# Altium PCB LightLink_V2_NOT_USED.PcbDoc (part 3 of 3)
Units mm, origin at the board's own origin, x right, y up, seen from the top; angles counter-clockwise.
Board outline 100 x 95 mm, 4 copper layers (Top Layer, GND, PWR, Bottom Layer), stack 0.603 mm thick; 319 components, 246 nets, 1057 pads, 165 vias.
Unrouted connection lines stored in the file: 408.
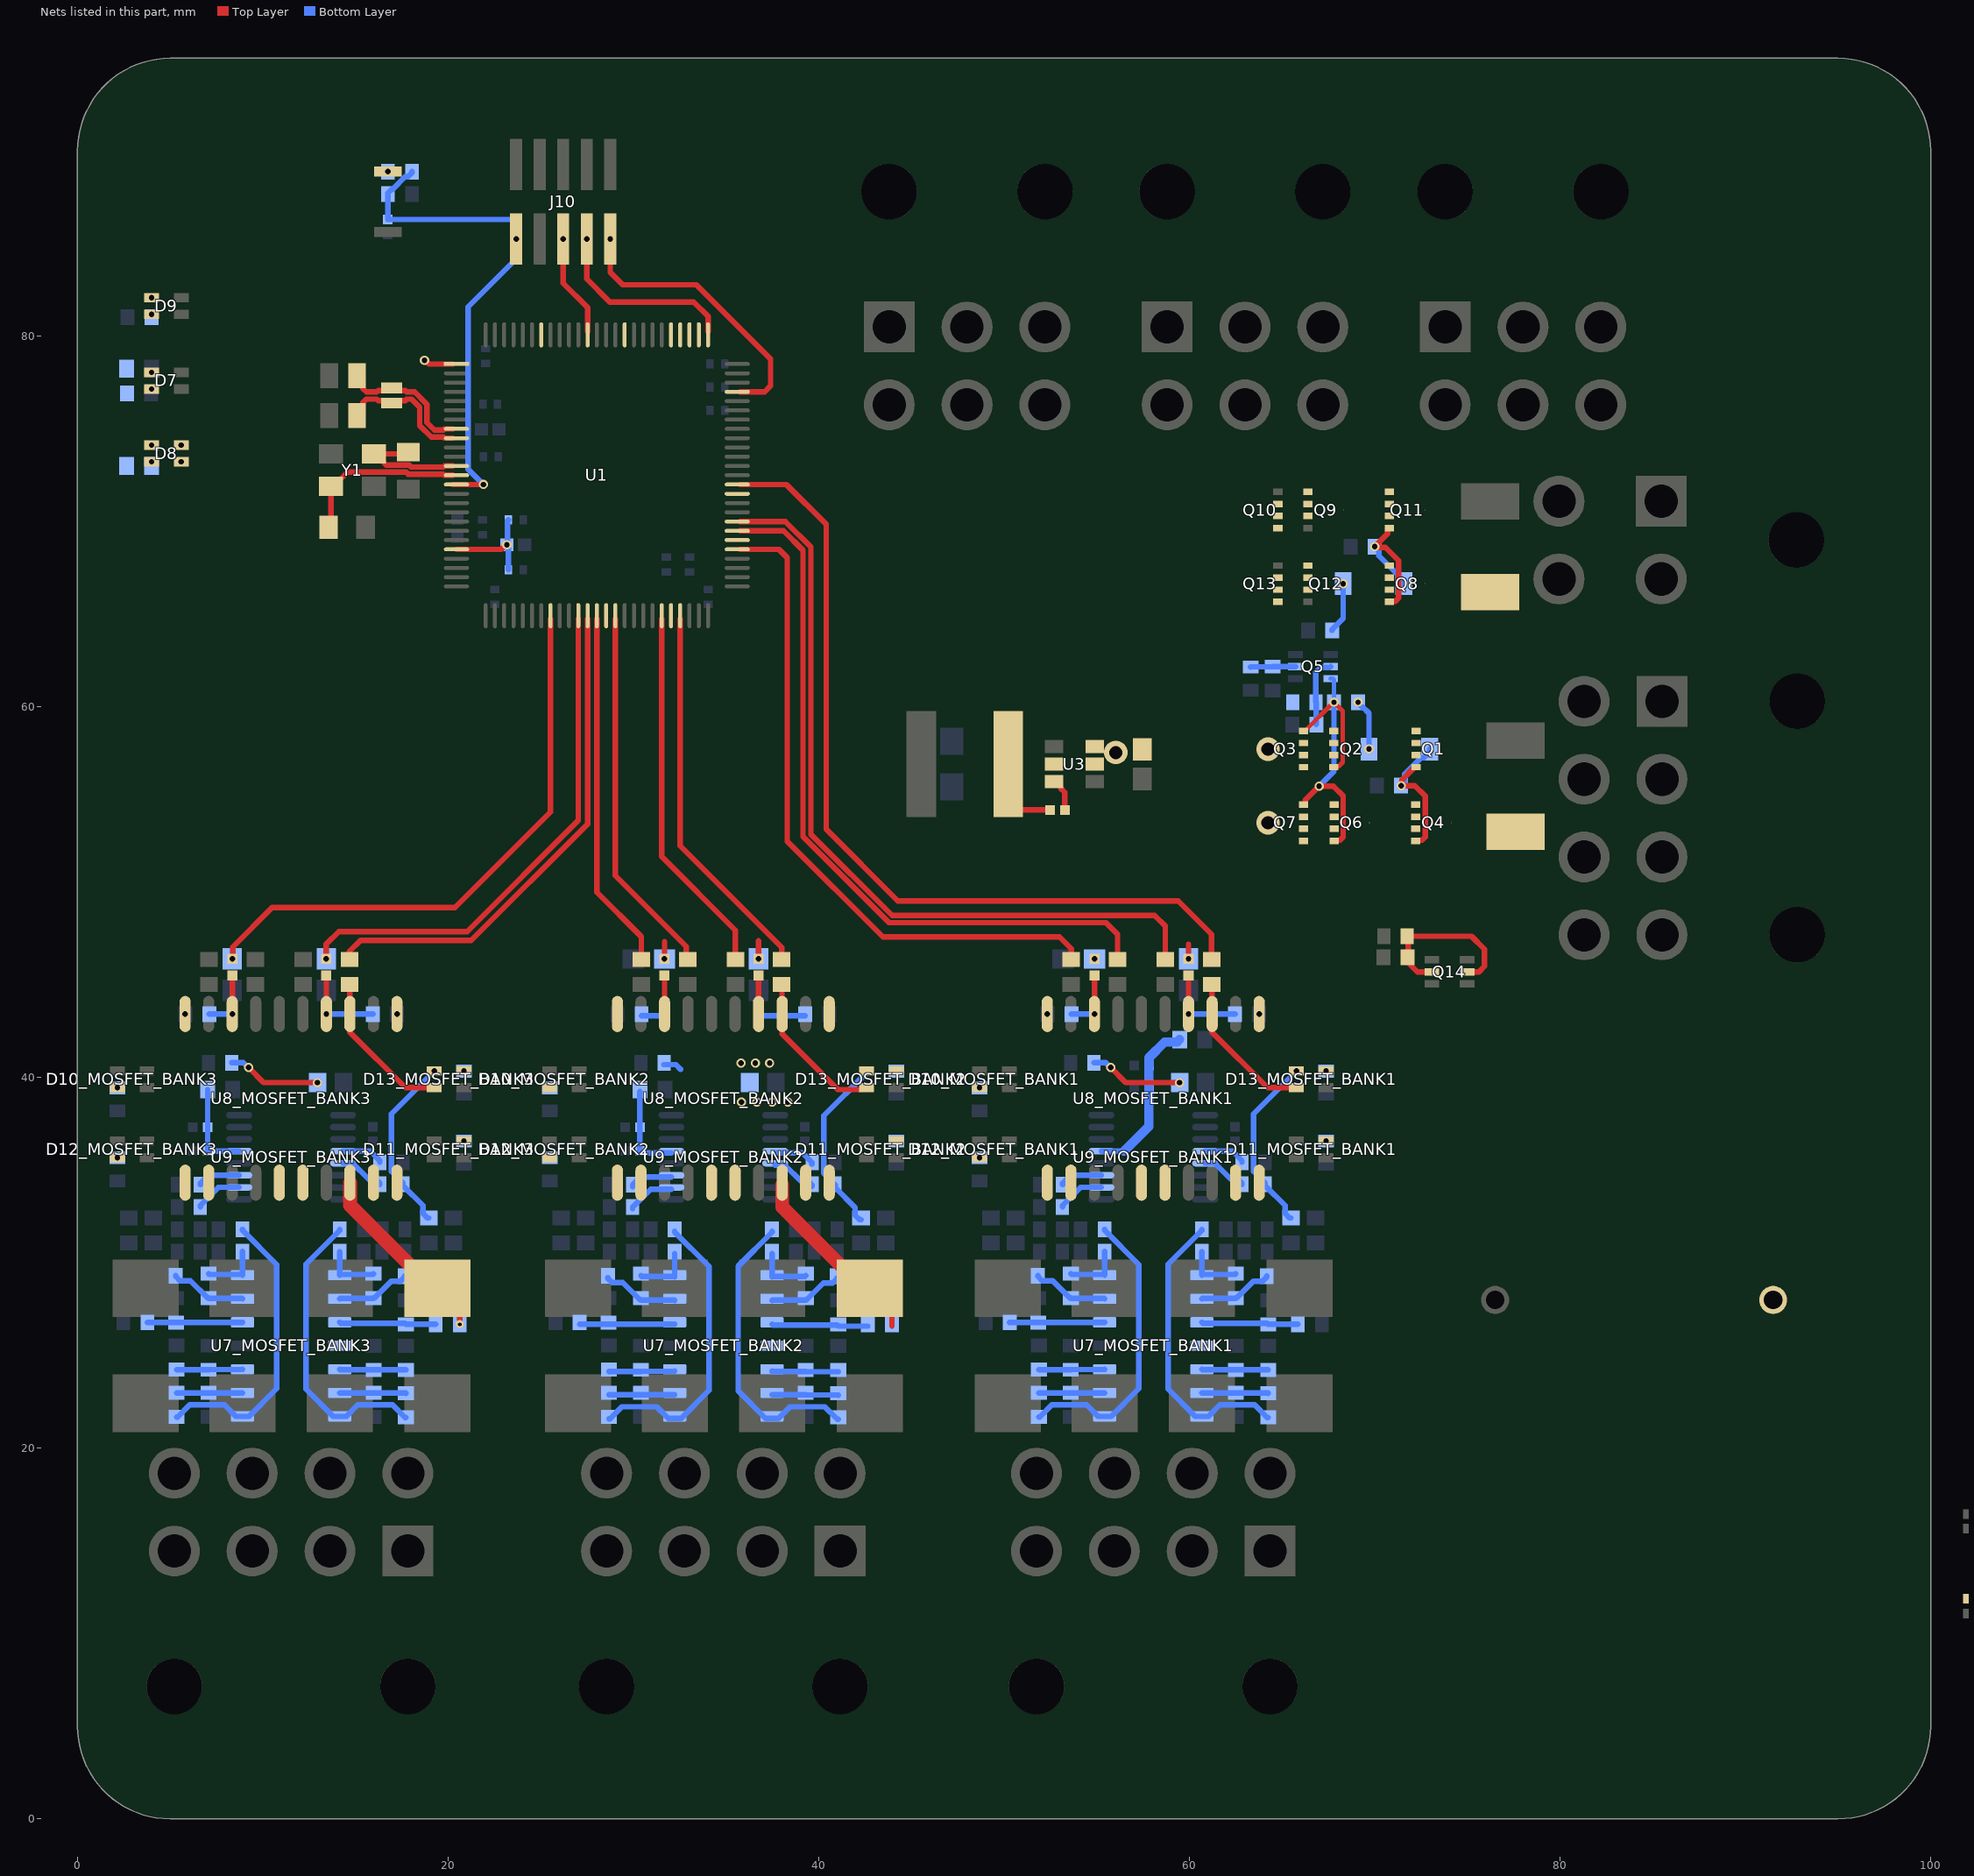
[diagram p3: the nets of this part, all layers, seen from the top]

## Via types
v1: diameter 0.5, hole 0.3, Top Layer to Bottom Layer, 150 vias
v2: diameter 1.27, hole 0.711, Top Layer to Bottom Layer, 8 vias
v3: diameter 4, hole 2.5, Top Layer to Bottom Layer, 4 vias
v4: diameter 0.45, hole 0.2, Top Layer to Bottom Layer, 3 vias

## Nets (pads, with @x,y where several pads share a name; then routed paths per layer and width w, separated by ;. In a path a pad name is that pad's centre, name@x,y a point inside that pad or via, vN(x,y) a via of type N, cw(c..) or ccw(c..) an arc to the next point about the centre after c; other vN are vias at no path point) (continued)
M4_PRE_SHUNT_MOSFET_BANK2: R86_MOSFET_BANK2.1 R90_MOSFET_BANK2.2 U8_MOSFET_BANK2.18 | length 10.2
  Top Layer w0.3: R86_MOSFET_BANK2.1@42.75,28.526 43.95,27.326 43.95,26.586
  Top Layer w0.75: U8_MOSFET_BANK2.18@38.025,34.226 38.025,33.016 42.515,28.526 R86_MOSFET_BANK2.1@42.75,28.526
M4_PRE_SHUNT_MOSFET_BANK3: R86_MOSFET_BANK3.1 R90_MOSFET_BANK3.2 U8_MOSFET_BANK3.18 | length 10.2
  Top Layer w0.3: R86_MOSFET_BANK3.1@19.425,28.625 20.625,27.425 v4(20.625,26.685)
  Top Layer w0.75: U8_MOSFET_BANK3.18@14.7,34.325 14.7,33.115 19.19,28.625 R86_MOSFET_BANK3.1@19.425,28.625
M4_TRIG: R58_MOSFET_BANK3.2 U1.37 | length 27.2
  Top Layer w0.3: R58_MOSFET_BANK3.2@14.675,46.325 14.675,46.8 15.275,47.4 21.25,47.4 27.525,53.675 U1.37@27.525,64.75
M4_TRIG_MOSFET_BANK1: D13_MOSFET_BANK1.3 R58_MOSFET_BANK1.1 U8_MOSFET_BANK1.3 | length 8.4
  Top Layer w0.3: R58_MOSFET_BANK1.1@61.2,45.075 61.213,45.063 61.213,43.438 U8_MOSFET_BANK1.3@61.225,43.425 61.225,42.45 64.225,39.45 D13_MOSFET_BANK1.3@65.775,39.45
M4_TRIG_MOSFET_BANK2: D13_MOSFET_BANK2.3 R58_MOSFET_BANK2.1 U8_MOSFET_BANK2.3 | length 8.4
  Top Layer w0.3: R58_MOSFET_BANK2.1@38,44.976 38.013,44.964 38.013,43.339 38.025,43.326 38.025,42.351 41.025,39.351 D13_MOSFET_BANK2.3@42.575,39.351
M4_TRIG_MOSFET_BANK3: D13_MOSFET_BANK3.3 R58_MOSFET_BANK3.1 U8_MOSFET_BANK3.3 | length 8.4
  Top Layer w0.3: R58_MOSFET_BANK3.1@14.675,45.075 14.688,45.063 14.688,43.438 U8_MOSFET_BANK3.3@14.7,43.425 14.7,42.45 17.7,39.45 D13_MOSFET_BANK3.3@19.25,39.45
M4_V_SENSE_MOSFET_BANK1: D13_MOSFET_BANK1.2 R88_MOSFET_BANK1.1 R98_MOSFET_BANK1.1 | length 9.8
  Bottom Layer w0.3: R88_MOSFET_BANK1.1@65.484,32.425 65.409,32.425 65.159,32.675 65.159,33.089 64.09,34.158 R98_MOSFET_BANK1.1@64.09,34.233 64.09,34.308 63.465,34.933 63.465,38.04 v1(65.775,40.35)
M4_V_SENSE_MOSFET_BANK2: D13_MOSFET_BANK2.2 R88_MOSFET_BANK2.1 R98_MOSFET_BANK2.1 | length 9.8
  Bottom Layer w0.3: R88_MOSFET_BANK2.1@42.284,32.326 42.209,32.326 41.959,32.576 41.959,32.99 40.89,34.059 40.89,34.134 40.89,34.209 40.265,34.834 40.265,37.941 42.575,40.251
M4_V_SENSE_MOSFET_BANK3: D13_MOSFET_BANK3.2 R88_MOSFET_BANK3.1 R98_MOSFET_BANK3.1 | length 9.8
  Bottom Layer w0.3: R88_MOSFET_BANK3.1@18.959,32.425 18.884,32.425 18.634,32.675 18.634,33.089 17.565,34.158 R98_MOSFET_BANK3.1@17.565,34.233 17.565,34.308 16.94,34.933 16.94,38.04 v1(19.25,40.35)
M5_TRIG: R47_MOSFET_BANK2.2 U1.38 | length 19.4
  Top Layer w0.3: U1.38@28.025,64.75 28.025,50 30.425,47.6 R47_MOSFET_BANK2.2@30.425,46.375
M6_TRIG: R57_MOSFET_BANK2.2 U1.40 | length 19.9
  Top Layer w0.3: U1.40@29.025,64.75 29.025,50.9 32.857,47.068 ; R57_MOSFET_BANK2.2@32.857,46.294 32.857,46.969
M7_TRIG: R48_MOSFET_BANK2.2 U1.45 | length 21.2
  Top Layer w0.3: U1.45@31.525,64.75 31.525,51.925 35.5,47.95 R48_MOSFET_BANK2.2@35.5,46.325 ; R48_MOSFET_BANK2.2@35.5,46.226 35.5,47.351
M8_TRIG: R58_MOSFET_BANK2.2 U1.47 | length 21.2
  Top Layer w0.3: U1.47@32.525,64.75 32.525,52.5 38,47.025 ; R58_MOSFET_BANK2.2@38,46.701 38,46.226 38,46.926
M9_TRIG: R47_MOSFET_BANK1.2 U1.55 | length 36.4
  Top Layer w0.3: U1.55@35.75,68.5 37.85,68.5 38.3,68.05 38.3,52.75 43.47,47.581 52.995,47.581 53.625,46.95 R47_MOSFET_BANK1.2@53.625,46.325
M10_TRIG: R57_MOSFET_BANK1.2 U1.57 | length 40.7
  Top Layer w0.3: U1.57@35.75,69.5 38.1,69.5 39.15,68.45 39.15,53 43.792,48.358 55.492,48.358 56.125,47.725 56.125,46.325 56.125,47.175
M11_TRIG: R48_MOSFET_BANK1.2 U1.58 | length 44
  Top Layer w0.3: U1.58@35.75,70 38.2,70 39.575,68.625 39.575,53.125 43.953,48.747 58.128,48.747 58.7,48.175 58.7,46.325 58.7,47.45
M12_STAT: R17_MOSFET_BANK3.2 R18_MOSFET_BANK3.2 U1.33 | length 31.2
  Top Layer w0.3: v1(8.35,46.4) 8.374,46.424 8.374,47.049 10.5,49.175 20.375,49.175 25.525,54.325 U1.33@25.525,64.75
M12_TRIG: R58_MOSFET_BANK1.2 U1.62 | length 47
  Top Layer w0.3: U1.62@35.75,72 38.25,72 40.4,69.85 40.4,53.4 44.275,49.525 59.4,49.525 61.2,47.725 61.2,46.325 61.2,46.8
M34_STAT: R21_MOSFET_BANK3.2 R22_MOSFET_BANK3.2 U1.36 | length 28
  Top Layer w0.3: v1(13.425,46.4) 13.425,47.2 14.1,47.875 21.025,47.875 27.025,53.875 U1.36@27.025,64.75
M56_STAT: R17_MOSFET_BANK2.2 R18_MOSFET_BANK2.2 U1.39 | length 1.1
  Top Layer w0.3: 31.675,47.325 31.675,46.301 R17_MOSFET_BANK2.2@31.7,46.325
  other v1: 31.675,46.4
M78_STAT: R21_MOSFET_BANK2.2 R22_MOSFET_BANK2.2 U1.46 | length 1.9
  Top Layer w0.3: 36.75,47.101 36.75,46.301 36.75,47.376
  other v1: 36.75,46.4
M910_STAT: R17_MOSFET_BANK1.2 R18_MOSFET_BANK1.2 U1.56 | length 0
  Top Layer w0.3: v1(54.875,46.4) R17_MOSFET_BANK1.2@54.899,46.424
M1112_STAT: R21_MOSFET_BANK1.2 R22_MOSFET_BANK1.2 U1.61 | length 0.8
  Top Layer w0.3: v1(59.95,46.4) 59.95,47.2
M1234_TEMP: R41_MOSFET_BANK3.1 R46_MOSFET_BANK3.2 U2.9 | length 5.1
  Top Layer w0.3: v1(9.225,40.55) 10.05,39.725 v1(12.95,39.725)
  Bottom Layer w0.3: R46_MOSFET_BANK3.2@8.325,40.8 8.957,40.8 9.207,40.55 v1(9.225,40.55)
M5678_TEMP: R41_MOSFET_BANK2.1 R46_MOSFET_BANK2.2 U2.10 | length 1
  Bottom Layer w0.3: R46_MOSFET_BANK2.2@31.65,40.701 32.282,40.701 32.532,40.451 32.55,40.451
  other v1: 35.825,38.675 36.658,38.675 37.492,38.675 38.325,38.675 35.8,40.775 36.575,40.775 37.35,40.775
M9101112_TEMP: R41_MOSFET_BANK1.1 R46_MOSFET_BANK1.2 U2.11 | length 5.1
  Top Layer w0.3: v1(55.75,40.55) 56.575,39.725 v1(59.475,39.725)
  Bottom Layer w0.3: R46_MOSFET_BANK1.2@54.85,40.8 55.482,40.8 55.732,40.55 v1(55.75,40.55)
NetC7_1: C7.1 C8.2 FB1.2 U1.21 | length 5.6
  Top Layer w0.3: U1.21@20.45,68.5 22.864,68.5 23.114,68.75 v1(23.168,68.75)
  Bottom Layer w0.3: C8.2@23.246,67.4 23.246,68.671 v1(23.168,68.75) 23.209,68.791 23.209,70.059 FB1.2@23.25,70.1
NetC16_MOSFET_BANK1_1: C16_MOSFET_BANK1.1 C21_MOSFET_BANK1.1 R23_MOSFET_BANK1.2 U9_MOSFET_BANK1.13 | length 8.9
  Bottom Layer w0.3: U9_MOSFET_BANK1.13@55.25,36.025 56.475,36.025
  Bottom Layer w0.5: 56.475,36.025 57.815,37.365 C21_MOSFET_BANK1.1@57.815,39.365 C16_MOSFET_BANK1.1@57.815,40.64 57.825,40.65 57.825,41.075 58.67,41.92 59.345,41.92 R23_MOSFET_BANK1.2@59.475,42.05
NetC16_MOSFET_BANK2_1: C16_MOSFET_BANK2.1 C21_MOSFET_BANK2.1 R23_MOSFET_BANK2.2 U9_MOSFET_BANK2.13 | length 5
  Bottom Layer w0.3: R23_MOSFET_BANK2.2@30.35,39.251 30.35,37.226 30.35,35.951 30.366,35.936 32.041,35.936 U9_MOSFET_BANK2.13@32.05,35.926
NetC16_MOSFET_BANK3_1: C16_MOSFET_BANK3.1 C21_MOSFET_BANK3.1 R23_MOSFET_BANK3.2 U9_MOSFET_BANK3.13 | length 5
  Bottom Layer w0.3: R23_MOSFET_BANK3.2@7.025,39.35 C16_MOSFET_BANK3.1@7.025,37.325 C21_MOSFET_BANK3.1@7.025,36.05 7.04,36.035 8.715,36.035 U9_MOSFET_BANK3.13@8.725,36.025
NetC22_1: C22.1 U3.6 | length 1.9
  Top Layer w0.3: U3.6@52.701,55.963 52.851,55.963 53.051,55.763 53.051,55.613 53.275,55.389 C22.1@53.275,54.438
NetC22_2: C22.2 L1.1 U3.5 | length 4.3
  Top Layer w0.3: L1.1@50.225,56.913 50.225,55.088 50.875,54.438 C22.2@52.475,54.438
NetC30_2: C30.2 D6.1 R29.1 U4.10
NetC31_2: C31.2 R29.2 R31.2 SW3.2
NetC32_1: C32.1 R30.1 R32.2
NetD3_1: D3.1 D5.1 R6.1
NetD7_1: D7.1 R34.2
  other v1: 4,77.15
NetD7_4: D7.4 R39.2
  other v1: 4,78.05
NetD8_1: D8.1 R33.2
  other v1: 4,73.225
NetD8_2: D8.2 U5.1 U5.2
  other v1: 5.6,73.225
NetD8_3: D8.3 U5.6 U5.7
  other v1: 5.6,74.125
NetD8_4: D8.4 R35.2
  other v1: 4,74.125
NetD9_1: D9.1 R44.1
  other v1: 4,81.175
NetD9_4: D9.4 R40.2
  other v1: 4,82.075
NetD10_MOSFET_BANK1_1: D10_MOSFET_BANK1.1 R93_MOSFET_BANK1.1
  other v1: 48.675,39.45
NetD10_MOSFET_BANK2_1: D10_MOSFET_BANK2.1 R93_MOSFET_BANK2.1
NetD10_MOSFET_BANK3_1: D10_MOSFET_BANK3.1 R93_MOSFET_BANK3.1
  other v1: 2.15,39.45
NetD11_MOSFET_BANK1_1: D11_MOSFET_BANK1.1 R94_MOSFET_BANK1.1
  other v1: 67.375,36.575
NetD11_MOSFET_BANK2_1: D11_MOSFET_BANK2.1 R94_MOSFET_BANK2.1
NetD11_MOSFET_BANK3_1: D11_MOSFET_BANK3.1 R94_MOSFET_BANK3.1
  other v1: 20.85,36.575
NetD12_MOSFET_BANK1_1: D12_MOSFET_BANK1.1 R99_MOSFET_BANK1.1
  other v1: 48.675,35.675
NetD12_MOSFET_BANK2_1: D12_MOSFET_BANK2.1 R99_MOSFET_BANK2.1
NetD12_MOSFET_BANK3_1: D12_MOSFET_BANK3.1 R99_MOSFET_BANK3.1
  other v1: 2.15,35.675
NetD13_MOSFET_BANK1_1: D13_MOSFET_BANK1.1 R100_MOSFET_BANK1.1
  other v1: 67.375,40.35
NetD13_MOSFET_BANK2_1: D13_MOSFET_BANK2.1 R100_MOSFET_BANK2.1
NetD13_MOSFET_BANK3_1: D13_MOSFET_BANK3.1 R100_MOSFET_BANK3.1
  other v1: 20.85,40.35
NetF1_2: F1.2 Q1.5-6-7-8 Q4.5-6-7-8
NetF2_2: F2.2 Q8.5-6-7-8 Q11.5-6-7-8
NetQ2_1: Q2.1 Q2.2 Q2.3 Q3.1 Q3.2 Q3.3
NetQ5_2: Q5.2 R2.2 R3.1 | length 2.4
  Bottom Layer w0.3: R2.2@63.3,62.15 63.313,62.162 64.487,62.162 R3.1@64.5,62.175 Q5.2@65.725,62.175
NetQ5_5: Q5.5 R6.2 R7.1 | length 3.8
  Bottom Layer w0.3: R7.1@66.85,59.05 66.837,59.062 66.837,60.238 R6.2@66.825,60.25 66.825,61.875 67.075,62.125 67.575,62.125 Q5.5@67.625,62.175
NetQ6_1: Q6.1 Q6.2 Q6.3 Q7.1 Q7.2 Q7.3
NetQ9_1: Q9.1 Q9.2 Q9.3 Q10.1 Q10.2 Q10.3
NetQ12_1: Q12.1 Q12.2 Q12.3 Q13.1 Q13.2 Q13.3
NetQ14_2: Q14.2 Q14.5 R36.1 R38.2 | length 9.2
  Top Layer w0.3: R38.2@71.775,47.625 75.225,47.625 75.925,46.925 75.925,46 75.625,45.7 Q14.5@74.986,45.7 ; R38.2@71.811,47.539 71.811,46.2 72.311,45.7 Q14.2@73.086,45.7
NetR19_2: R19.2 SW2.1
NetR24_1: R24.1 U1.14
NetR25_1: R25.1 U1.94
NetR26_1: R26.1 U1.85
NetR27_2: R27.2 U5.3
NetR28_2: R28.2 U1.77
NetR31_1: R31.1 U4.9
NetR37_2: R37.2 U5.5
NetR42_2: R42.2 SW1.1
  other v1: 16.75,88.88
NetR49_MOSFET_BANK1_1: R49_MOSFET_BANK1.1 R55_MOSFET_BANK1.2 U7_MOSFET_BANK1.14 | length 3.1
  Bottom Layer w0.3: R49_MOSFET_BANK1.1@53.6,29.411 53.638,29.373 55.387,29.373 U7_MOSFET_BANK1.14@55.425,29.335 R55_MOSFET_BANK1.2@55.425,30.61
NetR49_MOSFET_BANK1_2: R49_MOSFET_BANK1.2 R53_MOSFET_BANK1.1 U7_MOSFET_BANK1.13 | length 4.1
  Bottom Layer w0.3: R53_MOSFET_BANK1.1@51.825,29.31 51.825,29.26 52.05,29.035 52.621,29.035 53.547,28.109 R49_MOSFET_BANK1.2@53.6,28.109 53.622,28.087 55.403,28.087 U7_MOSFET_BANK1.13@55.425,28.065
NetR49_MOSFET_BANK2_1: R49_MOSFET_BANK2.1 R55_MOSFET_BANK2.2 U7_MOSFET_BANK2.14 | length 3.1
  Bottom Layer w0.3: R49_MOSFET_BANK2.1@30.4,29.312 30.438,29.274 32.188,29.274 32.225,29.236 R55_MOSFET_BANK2.2@32.225,30.511
NetR49_MOSFET_BANK2_2: R49_MOSFET_BANK2.2 R53_MOSFET_BANK2.1 U7_MOSFET_BANK2.13 | length 4.1
  Bottom Layer w0.3: R53_MOSFET_BANK2.1@28.625,29.211 28.625,29.161 28.85,28.936 29.422,28.936 30.348,28.01 30.4,28.01 30.423,27.988 32.203,27.988 U7_MOSFET_BANK2.13@32.225,27.966
NetR49_MOSFET_BANK3_1: R49_MOSFET_BANK3.1 R55_MOSFET_BANK3.2 U7_MOSFET_BANK3.14 | length 3.1
  Bottom Layer w0.3: R49_MOSFET_BANK3.1@7.075,29.411 7.113,29.373 8.862,29.373 U7_MOSFET_BANK3.14@8.9,29.335 R55_MOSFET_BANK3.2@8.9,30.61
NetR49_MOSFET_BANK3_2: R49_MOSFET_BANK3.2 R53_MOSFET_BANK3.1 U7_MOSFET_BANK3.13 | length 4.1
  Bottom Layer w0.3: R53_MOSFET_BANK3.1@5.3,29.31 5.3,29.26 5.525,29.035 6.096,29.035 7.022,28.109 R49_MOSFET_BANK3.2@7.075,28.109 7.097,28.087 8.878,28.087 U7_MOSFET_BANK3.13@8.9,28.065
NetR56_MOSFET_BANK1_1: R56_MOSFET_BANK1.1 R59_MOSFET_BANK1.2 U7_MOSFET_BANK1.12 | length 5.1
  Bottom Layer w0.3: R56_MOSFET_BANK1.1@50.3,26.785 R59_MOSFET_BANK1.2@51.85,26.784 ; R59_MOSFET_BANK1.2@51.85,26.784 51.855,26.79 55.42,26.79 U7_MOSFET_BANK1.12@55.425,26.795
NetR56_MOSFET_BANK2_1: R56_MOSFET_BANK2.1 R59_MOSFET_BANK2.2 U7_MOSFET_BANK2.12 | length 5.1
  Bottom Layer w0.3: R56_MOSFET_BANK2.1@27.101,26.686 28.65,26.686 28.656,26.691 32.22,26.691 U7_MOSFET_BANK2.12@32.225,26.696
NetR56_MOSFET_BANK3_1: R56_MOSFET_BANK3.1 R59_MOSFET_BANK3.2 U7_MOSFET_BANK3.12 | length 5.1
  Bottom Layer w0.3: R56_MOSFET_BANK3.1@3.775,26.785 R59_MOSFET_BANK3.2@5.325,26.784 5.33,26.79 8.895,26.79 U7_MOSFET_BANK3.12@8.9,26.795
NetR64_MOSFET_BANK1_1: R64_MOSFET_BANK1.1 R69_MOSFET_BANK1.2 U7_MOSFET_BANK1.8 | length 15.9
  Bottom Layer w0.3: R64_MOSFET_BANK1.1@51.875,21.684 51.928,21.684 52.579,22.335 54.455,22.335 55.075,21.715 U7_MOSFET_BANK1.8@55.425,21.715 55.775,21.715 57.275,23.215 57.275,29.91 55.425,31.76 R69_MOSFET_BANK1.2@55.425,31.81
NetR64_MOSFET_BANK1_2: R64_MOSFET_BANK1.2 R67_MOSFET_BANK1.1 U7_MOSFET_BANK1.9 | length 3.6
  Bottom Layer w0.3: R64_MOSFET_BANK1.2@51.875,22.985 R67_MOSFET_BANK1.1@53.6,22.985 ; R67_MOSFET_BANK1.1@53.6,22.985 U7_MOSFET_BANK1.9@55.425,22.985
NetR64_MOSFET_BANK2_1: R64_MOSFET_BANK2.1 R69_MOSFET_BANK2.2 U7_MOSFET_BANK2.8 | length 15.9
  Bottom Layer w0.3: R64_MOSFET_BANK2.1@28.675,21.585 28.728,21.585 29.379,22.236 31.255,22.236 31.875,21.616 32.225,21.616 32.575,21.616 34.075,23.116 34.075,29.811 32.225,31.661 R69_MOSFET_BANK2.2@32.225,31.711
NetR64_MOSFET_BANK2_2: R64_MOSFET_BANK2.2 R67_MOSFET_BANK2.1 U7_MOSFET_BANK2.9 | length 3.6
  Bottom Layer w0.3: R64_MOSFET_BANK2.2@28.676,22.886 R67_MOSFET_BANK2.1@30.4,22.886 ; R67_MOSFET_BANK2.1@30.4,22.886 U7_MOSFET_BANK2.9@32.225,22.886
NetR64_MOSFET_BANK3_1: R64_MOSFET_BANK3.1 R69_MOSFET_BANK3.2 U7_MOSFET_BANK3.8 | length 15.9
  Bottom Layer w0.3: R64_MOSFET_BANK3.1@5.35,21.684 5.403,21.684 6.054,22.335 7.93,22.335 8.55,21.715 U7_MOSFET_BANK3.8@8.9,21.715 9.25,21.715 10.75,23.215 10.75,29.91 8.9,31.76 R69_MOSFET_BANK3.2@8.9,31.81
NetR64_MOSFET_BANK3_2: R64_MOSFET_BANK3.2 R67_MOSFET_BANK3.1 U7_MOSFET_BANK3.9 | length 3.6
  Bottom Layer w0.3: R64_MOSFET_BANK3.2@5.35,22.985 R67_MOSFET_BANK3.1@7.075,22.985 ; R67_MOSFET_BANK3.1@7.075,22.985 U7_MOSFET_BANK3.9@8.9,22.985
NetR70_MOSFET_BANK1_1: R70_MOSFET_BANK1.1 R71_MOSFET_BANK1.2 U7_MOSFET_BANK1.10 | length 3.6
  Bottom Layer w0.3: R71_MOSFET_BANK1.2@51.875,24.234 R70_MOSFET_BANK1.1@53.6,24.235 ; R70_MOSFET_BANK1.1@53.6,24.235 53.61,24.245 55.415,24.245 U7_MOSFET_BANK1.10@55.425,24.255
NetR70_MOSFET_BANK2_1: R70_MOSFET_BANK2.1 R71_MOSFET_BANK2.2 U7_MOSFET_BANK2.10 | length 3.6
  Bottom Layer w0.3: R71_MOSFET_BANK2.2@28.676,24.136 R70_MOSFET_BANK2.1@30.4,24.136 ; R70_MOSFET_BANK2.1@30.4,24.136 30.41,24.146 32.215,24.146 U7_MOSFET_BANK2.10@32.225,24.156
NetR70_MOSFET_BANK3_1: R70_MOSFET_BANK3.1 R71_MOSFET_BANK3.2 U7_MOSFET_BANK3.10 | length 3.6
  Bottom Layer w0.3: R71_MOSFET_BANK3.2@5.35,24.234 R70_MOSFET_BANK3.1@7.075,24.235 ; R70_MOSFET_BANK3.1@7.075,24.235 7.085,24.245 8.89,24.245 U7_MOSFET_BANK3.10@8.9,24.255
NetR74_MOSFET_BANK1_1: R74_MOSFET_BANK1.1 R79_MOSFET_BANK1.2 U7_MOSFET_BANK1.7 | length 15.9
  Bottom Layer w0.3: R79_MOSFET_BANK1.2@60.675,31.8 60.675,31.75 58.85,29.925 58.85,23.19 60.325,21.715 U7_MOSFET_BANK1.7@60.675,21.715 61.025,21.715 61.645,22.335 63.521,22.335 64.197,21.659 R74_MOSFET_BANK1.1@64.25,21.659
NetR74_MOSFET_BANK1_2: R74_MOSFET_BANK1.2 R77_MOSFET_BANK1.1 U7_MOSFET_BANK1.6 | length 3.6
  Bottom Layer w0.3: U7_MOSFET_BANK1.6@60.675,22.985 R77_MOSFET_BANK1.1@62.5,22.985 62.512,22.973 64.238,22.973 R74_MOSFET_BANK1.2@64.25,22.961
NetR74_MOSFET_BANK2_1: R74_MOSFET_BANK2.1 R79_MOSFET_BANK2.2 U7_MOSFET_BANK2.7 | length 15.9
  Bottom Layer w0.3: R79_MOSFET_BANK2.2@37.475,31.701 37.475,31.651 35.65,29.826 35.65,23.091 37.125,21.616 37.475,21.616 37.825,21.616 38.445,22.236 40.322,22.236 40.998,21.56 R74_MOSFET_BANK2.1@41.05,21.56
NetR74_MOSFET_BANK2_2: R74_MOSFET_BANK2.2 R77_MOSFET_BANK2.1 U7_MOSFET_BANK2.6 | length 3.6
  Bottom Layer w0.3: U7_MOSFET_BANK2.6@37.475,22.886 39.3,22.886 39.313,22.874 41.038,22.874 R74_MOSFET_BANK2.2@41.05,22.862
NetR74_MOSFET_BANK3_1: R74_MOSFET_BANK3.1 R79_MOSFET_BANK3.2 U7_MOSFET_BANK3.7 | length 15.9
  Bottom Layer w0.3: R79_MOSFET_BANK3.2@14.15,31.8 14.15,31.75 12.325,29.925 12.325,23.19 13.8,21.715 U7_MOSFET_BANK3.7@14.15,21.715 14.5,21.715 15.12,22.335 16.996,22.335 17.672,21.659 R74_MOSFET_BANK3.1@17.725,21.659
NetR74_MOSFET_BANK3_2: R74_MOSFET_BANK3.2 R77_MOSFET_BANK3.1 U7_MOSFET_BANK3.6 | length 3.6
  Bottom Layer w0.3: U7_MOSFET_BANK3.6@14.15,22.985 R77_MOSFET_BANK3.1@15.975,22.985 15.987,22.973 17.713,22.973 R74_MOSFET_BANK3.2@17.725,22.961
NetR80_MOSFET_BANK1_1: R80_MOSFET_BANK1.1 R81_MOSFET_BANK1.2 U7_MOSFET_BANK1.5 | length 3.6
  Bottom Layer w0.3: U7_MOSFET_BANK1.5@60.675,24.255 60.69,24.24 62.485,24.24 R80_MOSFET_BANK1.1@62.5,24.225 ; R80_MOSFET_BANK1.1@62.5,24.225 R81_MOSFET_BANK1.2@64.249,24.224
NetR80_MOSFET_BANK2_1: R80_MOSFET_BANK2.1 R81_MOSFET_BANK2.2 U7_MOSFET_BANK2.5 | length 3.6
  Bottom Layer w0.3: U7_MOSFET_BANK2.5@37.475,24.156 37.49,24.141 39.285,24.141 R80_MOSFET_BANK2.1@39.3,24.126 ; R80_MOSFET_BANK2.1@39.301,24.125 R81_MOSFET_BANK2.2@41.05,24.125
NetR80_MOSFET_BANK3_1: R80_MOSFET_BANK3.1 R81_MOSFET_BANK3.2 U7_MOSFET_BANK3.5 | length 3.6
  Bottom Layer w0.3: U7_MOSFET_BANK3.5@14.15,24.255 14.165,24.24 15.96,24.24 R80_MOSFET_BANK3.1@15.975,24.225 ; R80_MOSFET_BANK3.1@15.975,24.225 R81_MOSFET_BANK3.2@17.725,24.223
NetR83_MOSFET_BANK1_1: R83_MOSFET_BANK1.1 R89_MOSFET_BANK1.2 U7_MOSFET_BANK1.1 | length 3.1
  Bottom Layer w0.3: R89_MOSFET_BANK1.2@60.675,30.6 U7_MOSFET_BANK1.1@60.675,29.335 60.713,29.373 62.462,29.373 R83_MOSFET_BANK1.1@62.5,29.411
NetR83_MOSFET_BANK1_2: R83_MOSFET_BANK1.2 R87_MOSFET_BANK1.1 U7_MOSFET_BANK1.2 | length 4
  Bottom Layer w0.3: U7_MOSFET_BANK1.2@60.675,28.065 60.697,28.087 62.478,28.087 R83_MOSFET_BANK1.2@62.5,28.109 62.553,28.109 63.454,29.01 63.95,29.01 64.175,29.235 R87_MOSFET_BANK1.1@64.175,29.285
NetR83_MOSFET_BANK2_1: R83_MOSFET_BANK2.1 R89_MOSFET_BANK2.2 U7_MOSFET_BANK2.1 | length 3.1
  Bottom Layer w0.3: R89_MOSFET_BANK2.2@37.475,30.501 37.475,29.236 37.513,29.274 39.263,29.274 R83_MOSFET_BANK2.1@39.3,29.312
NetR83_MOSFET_BANK2_2: R83_MOSFET_BANK2.2 R87_MOSFET_BANK2.1 U7_MOSFET_BANK2.2 | length 4
  Bottom Layer w0.3: U7_MOSFET_BANK2.2@37.475,27.966 37.498,27.988 39.278,27.988 39.3,28.01 39.353,28.01 40.254,28.911 40.75,28.911 40.975,29.136 R87_MOSFET_BANK2.1@40.975,29.186
NetR83_MOSFET_BANK3_1: R83_MOSFET_BANK3.1 R89_MOSFET_BANK3.2 U7_MOSFET_BANK3.1 | length 3.1
  Bottom Layer w0.3: R89_MOSFET_BANK3.2@14.15,30.6 U7_MOSFET_BANK3.1@14.15,29.335 14.188,29.373 15.937,29.373 R83_MOSFET_BANK3.1@15.975,29.411
NetR83_MOSFET_BANK3_2: R83_MOSFET_BANK3.2 R87_MOSFET_BANK3.1 U7_MOSFET_BANK3.2 | length 4
  Bottom Layer w0.3: U7_MOSFET_BANK3.2@14.15,28.065 14.172,28.087 15.953,28.087 R83_MOSFET_BANK3.2@15.975,28.109 16.028,28.109 16.929,29.01 17.425,29.01 17.65,29.235 R87_MOSFET_BANK3.1@17.65,29.285
NetR90_MOSFET_BANK1_1: R90_MOSFET_BANK1.1 R91_MOSFET_BANK1.2 U7_MOSFET_BANK1.3 | length 5.2
  Bottom Layer w0.3: U7_MOSFET_BANK1.3@60.675,26.795 60.73,26.74 64.195,26.74 R91_MOSFET_BANK1.2@64.25,26.684 R90_MOSFET_BANK1.1@65.85,26.685
NetR90_MOSFET_BANK2_1: R90_MOSFET_BANK2.1 R91_MOSFET_BANK2.2 U7_MOSFET_BANK2.3 | length 5.2
  Bottom Layer w0.3: U7_MOSFET_BANK2.3@37.475,26.696 37.531,26.641 40.995,26.641 R91_MOSFET_BANK2.2@41.05,26.585 ; R91_MOSFET_BANK2.2@41.051,26.586 R90_MOSFET_BANK2.1@42.65,26.586
NetR90_MOSFET_BANK3_1: R90_MOSFET_BANK3.1 R91_MOSFET_BANK3.2 U7_MOSFET_BANK3.3 | length 5.2
  Bottom Layer w0.3: U7_MOSFET_BANK3.3@14.15,26.795 14.205,26.74 17.67,26.74 R91_MOSFET_BANK3.2@17.725,26.684 R90_MOSFET_BANK3.1@19.325,26.685
NetR97_MOSFET_BANK1_2: R97_MOSFET_BANK1.2 U9_MOSFET_BANK1.4 | length 2.3
  Bottom Layer w0.3: U9_MOSFET_BANK1.4@60.85,36.025 62.323,36.025 62.84,35.508 R97_MOSFET_BANK1.2@62.84,35.433
NetR97_MOSFET_BANK2_2: R97_MOSFET_BANK2.2 U9_MOSFET_BANK2.4 | length 2.3
  Bottom Layer w0.3: U9_MOSFET_BANK2.4@37.65,35.926 39.123,35.926 39.64,35.409 R97_MOSFET_BANK2.2@39.64,35.334
NetR97_MOSFET_BANK3_2: R97_MOSFET_BANK3.2 U9_MOSFET_BANK3.4 | length 2.3
  Bottom Layer w0.3: U9_MOSFET_BANK3.4@14.325,36.025 15.798,36.025 16.315,35.508 R97_MOSFET_BANK3.2@16.315,35.433
NetR98_MOSFET_BANK1_2: R98_MOSFET_BANK1.2 U9_MOSFET_BANK1.5 | length 2.5
  Bottom Layer w0.3: U9_MOSFET_BANK1.5@60.85,35.375 61.375,35.375 62.242,34.508 62.64,34.508 62.84,34.308 R98_MOSFET_BANK1.2@62.84,34.233
NetR98_MOSFET_BANK2_2: R98_MOSFET_BANK2.2 U9_MOSFET_BANK2.5 | length 2.5
  Bottom Layer w0.3: U9_MOSFET_BANK2.5@37.65,35.276 38.175,35.276 39.042,34.409 39.44,34.409 39.64,34.209 R98_MOSFET_BANK2.2@39.64,34.134
NetR98_MOSFET_BANK3_2: R98_MOSFET_BANK3.2 U9_MOSFET_BANK3.5 | length 2.5
  Bottom Layer w0.3: U9_MOSFET_BANK3.5@14.325,35.375 14.85,35.375 15.717,34.508 16.115,34.508 16.315,34.308 R98_MOSFET_BANK3.2@16.315,34.233
NetR101_MOSFET_BANK1_2: R101_MOSFET_BANK1.2 U9_MOSFET_BANK1.10 | length 2.6
  Bottom Layer w0.3: R101_MOSFET_BANK1.2@53.15,33.02 53.15,33.095 54.13,34.075 U9_MOSFET_BANK1.10@55.25,34.075
NetR101_MOSFET_BANK2_2: R101_MOSFET_BANK2.2 U9_MOSFET_BANK2.10 | length 2.6
  Bottom Layer w0.3: R101_MOSFET_BANK2.2@29.95,32.921 29.95,32.996 30.931,33.976 U9_MOSFET_BANK2.10@32.05,33.976
NetR101_MOSFET_BANK3_2: R101_MOSFET_BANK3.2 U9_MOSFET_BANK3.10 | length 2.6
  Bottom Layer w0.3: R101_MOSFET_BANK3.2@6.625,33.02 6.625,33.095 7.605,34.075 U9_MOSFET_BANK3.10@8.725,34.075
NetR104_MOSFET_BANK1_2: R104_MOSFET_BANK1.2 U9_MOSFET_BANK1.11 | length 2.4
  Bottom Layer w0.3: R104_MOSFET_BANK1.2@53.15,34.22 53.15,34.295 53.58,34.725 U9_MOSFET_BANK1.11@55.25,34.725
NetR104_MOSFET_BANK2_2: R104_MOSFET_BANK2.2 U9_MOSFET_BANK2.11 | length 2.4
  Bottom Layer w0.3: R104_MOSFET_BANK2.2@29.95,34.121 29.95,34.196 30.381,34.626 U9_MOSFET_BANK2.11@32.05,34.626
NetR104_MOSFET_BANK3_2: R104_MOSFET_BANK3.2 U9_MOSFET_BANK3.11 | length 2.4
  Bottom Layer w0.3: R104_MOSFET_BANK3.2@6.625,34.22 6.625,34.295 7.055,34.725 U9_MOSFET_BANK3.11@8.725,34.725
PRE_12V: D2.1 Q8.1 Q8.2 Q8.3 Q9.5-6-7-8 Q11.1 Q11.2 Q11.3 Q12.5-6-7-8 R5.1 R8.1 | length 2.8
  Bottom Layer w0.3: R5.1@67.7,64.125 67.7,64.175 68.3,64.775 v1(68.3,66.65)
PRE_12V_SENSE: R8.2 R13.2 U2.5
PRE_CAN_N: C33.1 L2.4 R32.1 R43.1 U4.12
PRE_CAN_P: C27.2 L2.1 R30.2 R43.2 U4.13
PRE_VCC: D1.1 Q1.1 Q1.2 Q1.3 Q2.5-6-7-8 Q4.1 Q4.2 Q4.3 Q6.5-6-7-8 R1.1 R10.1 | length 2.8
  Bottom Layer w0.3: v1(69.1,60.25) 69.1,60.2 69.325,59.975 69.375,59.975 69.694,59.656 v1(69.694,57.725)
PRE_VCC_SENSE: R10.2 R15.2
PWR_MOSFET: Q2.4 Q3.4 Q5.6 Q6.4 Q7.4 R1.2 | length 18.4
  Top Layer w0.254: Q3.4@66.154,58.7 66.229,58.7 67.779,60.25 v1(67.8,60.25) 68.275,59.775 68.275,57.019 68.054,56.798 67.842,56.798 Q2.4@67.794,56.75 Q2.4@67.719,56.75 ; v1(67,55.725) v1@67.047,55.772
  Top Layer w0.3: Q7.4@66.154,54.725 66.229,54.725 66.254,54.75 66.254,54.979 v1(67,55.725) 67.774,55.725 68.3,55.199 68.3,52.976 68.124,52.8 67.829,52.8 Q6.4@67.804,52.775
  Bottom Layer w0.254: Q5.6@67.625,61.525 67.727,61.525 67.8,61.452 v1(67.8,60.25)
  Bottom Layer w0.3: v1(67,55.725) 67.8,56.525 v1(67.8,60.25)
R_LED: R39.1 U1.1 | length 1.6
  Top Layer w0.3: v1(18.725,78.7) 18.779,78.7 18.979,78.5 U1.1@20.25,78.5
RESETN: C1.1 C17.1 J10.10 R24.2 R42.1 R45.2 | length 27.4
  Top Layer w0.3: 20.25,72 v1(21.9,72)
  Bottom Layer w0.3: R42.1@18.05,88.88 18.05,88.83 17.825,88.605 17.68,88.605 17.025,87.95 16.975,87.95 16.75,87.725 R45.2@16.75,87.675 16.75,86.3 23.495,86.3 23.67,86.125 23.67,84.18 21.075,81.585 21.075,72.825 v1(21.9,72)
  other v1: 23.67,85.24
RP_MOS_LINK: D1.2 Q1.4 Q4.4 R4.1 | length 8.5
  Top Layer w0.3: Q4.4@72.219,52.775 72.244,52.8 72.549,52.8 72.725,52.976 72.725,55.189 72.164,55.75 v1(71.425,55.75) 71.463,55.788 71.463,56.06 72.154,56.75 Q1.4@72.229,56.75
  Bottom Layer w0.3: R4.1@71.425,55.8 v1(71.425,55.75) 71.625,55.95 71.625,56.386 72.504,57.265 72.659,57.265 72.964,57.57 D1.2@72.964,57.725
RP_MOS_LINK_12V: D2.2 Q8.4 Q11.4 R12.1 | length 8.2
  Top Layer w0.3: Q8.4@70.8,65.675 70.825,65.7 71.113,65.7 71.289,65.876 71.289,67.899 70.576,68.612 70.038,68.612 v1(70,68.65) 70.7,69.35 70.7,69.625 70.725,69.65 Q11.4@70.8,69.65
  Bottom Layer w0.3: v1(70,68.65) 70.225,68.425 70.225,68.15 71.57,66.805 D2.2@71.57,66.65
SPI3_MISO: U1.79 U2.15 U4.6
SPI3_MOSI: U1.80 U2.14 U4.11
SPI3_SCLK: U1.78 U2.16 U4.8
STAT_12_MOSFET_BANK1: R17_MOSFET_BANK1.1 R84_MOSFET_BANK1.1 U8_MOSFET_BANK1.8 | length 3.3
  Top Layer w0.3: v1(54.875,43.425) R17_MOSFET_BANK1.1@54.875,45.5
  Bottom Layer w0.3: R84_MOSFET_BANK1.1@53.635,43.425 v1(54.875,43.425)
STAT_12_MOSFET_BANK2: R17_MOSFET_BANK2.1 R84_MOSFET_BANK2.1 U8_MOSFET_BANK2.8 | length 3.3
  Top Layer w0.3: U8_MOSFET_BANK2.8@31.675,43.326 R17_MOSFET_BANK2.1@31.675,45.401
  Bottom Layer w0.3: R84_MOSFET_BANK2.1@30.435,43.326 31.675,43.326
STAT_12_MOSFET_BANK3: R17_MOSFET_BANK3.1 R84_MOSFET_BANK3.1 U8_MOSFET_BANK3.8 | length 3.3
  Top Layer w0.3: v1(8.35,43.425) R17_MOSFET_BANK3.1@8.35,45.5
  Bottom Layer w0.3: R84_MOSFET_BANK3.1@7.11,43.425 v1(8.35,43.425)
STAT_34_MOSFET_BANK1: R21_MOSFET_BANK1.1 R85_MOSFET_BANK1.1 U8_MOSFET_BANK1.4 | length 4.6
  Top Layer w0.3: R21_MOSFET_BANK1.1@59.953,45.5 59.953,43.428 v1(59.955,43.425)
  Bottom Layer w0.3: v1(59.955,43.425) R85_MOSFET_BANK1.1@62.465,43.425
STAT_34_MOSFET_BANK2: R21_MOSFET_BANK2.1 R85_MOSFET_BANK2.1 U8_MOSFET_BANK2.4 | length 4.6
  Top Layer w0.3: R21_MOSFET_BANK2.1@36.753,45.401 36.753,43.329 U8_MOSFET_BANK2.4@36.755,43.326
  Bottom Layer w0.3: 36.755,43.326 R85_MOSFET_BANK2.1@39.265,43.326
STAT_34_MOSFET_BANK3: R21_MOSFET_BANK3.1 R85_MOSFET_BANK3.1 U8_MOSFET_BANK3.4 | length 4.6
  Top Layer w0.3: R21_MOSFET_BANK3.1@13.428,45.5 13.428,43.428 v1(13.43,43.425)
  Bottom Layer w0.3: v1(13.43,43.425) R85_MOSFET_BANK3.1@15.94,43.425
SWCLK: J10.4 U1.76 | length 10.4
  Top Layer w0.3: v1(27.48,85.24) 27.48,83.095 28.725,81.85 33.25,81.85 34.025,81.075 U1.76@34.025,80.25
SWDIO: J10.2 U1.72 | length 15.6
  Top Layer w0.3: v1(28.75,85.24) 28.75,83.45 29.425,82.775 33.4,82.775 37.4,78.775 37.4,77.325 37.075,77 U1.72@35.75,77
SWO: J10.6 U1.89 | length 5.5
  Top Layer w0.3: v1(26.21,85.24) 26.21,82.865 27.525,81.55 U1.89@27.525,80.25
VCC: C23.1 C35.2 LS2.P Q3.5-6-7-8 Q7.5-6-7-8 R11.1 U3.2 U3.3 U7_MOSFET_BANK1.4 U7_MOSFET_BANK2.4 U7_MOSFET_BANK3.4 U8_MOSFET_BANK1.1 U8_MOSFET_BANK1.10 U8_MOSFET_BANK1.11 U8_MOSFET_BANK1.12 U8_MOSFET_BANK1.15 U8_MOSFET_BANK1.16 U8_MOSFET_BANK1.19 U8_MOSFET_BANK1.20 U8_MOSFET_BANK2.1 U8_MOSFET_BANK2.10 U8_MOSFET_BANK2.11 U8_MOSFET_BANK2.12 U8_MOSFET_BANK2.15 U8_MOSFET_BANK2.16 U8_MOSFET_BANK2.19 U8_MOSFET_BANK2.20 U8_MOSFET_BANK3.1 U8_MOSFET_BANK3.10 U8_MOSFET_BANK3.11 U8_MOSFET_BANK3.12 U8_MOSFET_BANK3.15 U8_MOSFET_BANK3.16 U8_MOSFET_BANK3.19 U8_MOSFET_BANK3.20 U10.3
  other v1: 5.81,43.425 17.24,43.425 52.335,43.425 63.765,43.425
  other v2: 64.244,53.75 56.025,57.538 64.244,57.725
VCC_SENSE: R11.2 R16.2 U2.4
X32_N: C19.1 U1.9 Y2.2 | length 7.4
  Top Layer w0.3: C19.1@15.083,75.725 15.408,76.05 15.408,76.43 15.584,76.606 16.142,76.606 16.223,76.525 16.821,76.525 Y2.2@16.958,76.388 17.096,76.525 17.694,76.525 17.775,76.606 18.023,76.606 18.466,76.163 18.466,75.179 19.089,74.556 19.744,74.556 19.8,74.5 U1.9@20.25,74.5
X32_P: C18.1 U1.8 Y2.1 | length 7.4
  Top Layer w0.3: C18.1@15.083,77.875 15.408,77.55 15.408,77.17 15.584,76.995 16.142,76.995 16.223,77.075 16.821,77.075 Y2.1@16.958,77.213 17.096,77.075 17.694,77.075 17.775,76.995 18.184,76.995 18.855,76.324 18.855,75.34 19.25,74.944 19.744,74.944 19.8,75 U1.8@20.25,75
X_N: C15.2 U1.13 Y1.1 | length 9.2
  Top Layer w0.3: C15.2@13.542,69.7 13.683,69.841 Y1.1@13.683,71.9 13.808,71.9 14.572,72.664 17.735,72.664 17.843,72.556 19.744,72.556 19.8,72.5 U1.13@20.25,72.5
X_P: C14.2 U1.12 Y1.3 | length 6.4
  Top Layer w0.3: Y1.3@15.983,73.65 Y1.3@16.108,73.65 ; C14.2@17.85,73.75 17.75,73.65 Y1.3@16.108,73.65 ; U1.12@20.25,73 19.8,73 19.744,72.944 18.004,72.944 17.896,73.053 16.659,73.053 16.483,73.229 16.483,73.275 Y1.3@16.108,73.65
pads on no net: J1. J2. J3. J4. J5. J6. J7. J8. J9. J9.2 J9.5 J10.7 J10.8 J10.9 U1.3 U1.4 U1.5 U1.7 U1.15 U1.16 U1.17 U1.18 U1.22 U1.23 U1.24 U1.25 U1.59 U1.60 U1.69 U1.71 U1.83 U1.84 U1.86 U1.87 U1.88 U1.90 U1.91 U1.93 U1.95 U1.96 U1.97 U1.98 U5.8 U5.9 U5.10 U5.12 U5.13 U5.14
copper on no net: | length 133.6
  Top Layer w0.3: 28.525,64.75 28.525,50.475 31.675,47.325 ; 32.025,64.75 32.025,52.2 36.75,47.475 ; v1@32.55,40.451 33.375,39.626 v1@36.275,39.626 ; 35.75,69 37.975,69 38.725,68.25 38.725,52.875 43.631,47.969 54.281,47.969 54.875,47.375 54.875,46.4 ; 35.75,71.5 38.1,71.5 39.975,69.625 39.975,53.275 44.114,49.136 58.789,49.136 59.95,47.975 59.95,46.4
  Top Layer w0.5: v1@31.7,39.251 33.7,37.251 v1@39.25,37.251
  other v1: 27,22.425 42.75,22.425 30.4,25.535 39.3,25.525 25.475,35.675 27.075,35.675 42.575,36.575 44.175,36.575 39.25,37.35 31.7,39.35 25.475,39.45 27.075,39.45 36.275,39.725 42.575,40.35 44.175,40.35 32.55,40.55 29.135,43.425 31.675,43.425 36.755,43.425 40.565,43.425 24.94,85.24 23.67,89.27 24.94,89.27
  other v4: 43.95,26.685

## Polygon pours and split planes (outlines as drawn)
VCC on Top Layer "VCC_L01_P013" (solid, pour order 13): 57.956,57.111 56.944,57.111 55.4,56.563 54.4,56.563 54.4,58.213 55.4,58.213 56.944,58.319 57.956,58.319
NetC22_2 on Top Layer "NETC22_2_L01_P012" (solid, pour order 12): 53.201,56.563 52.201,56.563 51.025,54.063 49.425,54.063 49.425,59.763 51.025,59.763 51.025,58.439 52.201,57.263 53.201,57.263
12V_IN on Top Layer "12V_IN_L01_P011" (solid, pour order 11): 74.65,70.116 79.944,69.719 86.833,69.719 86.833,72.472 79.944,72.472 74.65,72.076
CAN_VSUP on Top Layer "CAN_VSUP_L01_P010" (solid, pour order 10): 86.875,61.675 86.875,55.53 86.07,54.725 81.3,54.725 76.025,57.2 76.025,59.16 81.3,61.675 84.125,61.675
NetF2_2 on Top Layer "NETF2_2_L01_P009" (solid, pour order 9): 71.624,71.866 71.575,71.817 71.575,65.425 73.664,65.425 74.65,65.206 77.8,65.206 77.8,67.166 76.204,67.166 73.904,69.466 73.904,71.816 73.854,71.866 73.604,71.866
NetF1_2 on Top Layer "NETF1_2_L01_P008" (solid, pour order 8): 72.999,58.95 72.989,58.94 72.989,52.525 74.969,52.525 76.025,52.29 79.175,52.29 79.175,54.25 77.579,54.25 75.279,56.55 75.279,58.9 75.229,58.95 74.979,58.95
PRE_VCC on Top Layer "PRE_VCC_L01_P007" (solid, pour order 7): 68.589,54.975 70.569,54.975 71.969,54.9 72.469,54.9 72.469,53.25 71.969,53.25 70.819,52.525 68.589,52.525
PRE_VCC on Top Layer "PRE_VCC_L01_P006" (solid, pour order 6): 68.599,58.95 70.579,58.95 71.979,58.875 72.479,58.875 72.479,57.225 71.979,57.225 70.829,56.5 68.599,56.5
PRE_12V on Top Layer "PRE_12V_L01_P005" (solid, pour order 5): 67.17,71.85 69.15,71.85 70.55,71.775 71.05,71.775 71.05,70.125 70.55,70.125 69.4,69.4 67.17,69.4
PRE_12V on Top Layer "PRE_12V_L01_P004" (solid, pour order 4): 67.17,67.875 69.15,67.875 70.55,67.8 71.05,67.8 71.05,66.15 70.55,66.15 69.4,65.425 67.17,65.425
NetQ9_1 on Top Layer "NETQ9_1_L01_P003" (solid, pour order 3): 64.525,71.125 64.525,69.475 65.025,69.475 66.165,70.125 66.665,70.125 66.665,71.775 66.165,71.775 65.025,71.125
NetQ12_1 on Top Layer "NETQ12_1_L01_P002" (solid, pour order 2): 64.525,67.15 64.525,65.5 65.025,65.5 66.165,66.15 66.665,66.15 66.665,67.8 66.165,67.8 65.025,67.15
NetQ6_1 on Top Layer "NETQ6_1_L01_P001" (solid, pour order 1): 65.904,54.25 65.904,52.6 66.404,52.6 67.544,53.25 68.044,53.25 68.044,54.9 67.544,54.9 66.404,54.25
NetQ2_1 on Top Layer "NETQ2_1_L01_P000" (solid, pour order 0): 65.904,58.225 65.904,56.575 66.404,56.575 67.544,57.225 68.044,57.225 68.044,58.875 67.544,58.875 66.404,58.225

## Silkscreen, mask and mechanical layers (free items; w line width, h text height)
Top Overlay:
  drawing of 12 lines, arcs and shapes, not listed
  text "RST" at 11.625,86.755 h1
  text "DBG" at 33.575,86.755 h1
  text "PWR" at 3.45,83.125 h1
  text "SID goes here" at 86.625,82.033 h1
  text "MCU" at 3.45,79.125 h1
  text "CAN" at 3.45,75.125 h1
  text "CH_1" at 1.146,41.292 h1
  text "CH_4" at 18.355,41.292 h1
  text "CH_5" at 24.305,41.292 h1
  text "CH_8" at 41.68,41.292 h1
  text "CH_9" at 47.505,41.292 h1
  text "CH_12" at 65.15,41.292 h1
  text "CH_2" at 0.98,37.542 h1
  text "CH_3" at 18.355,37.542 h1
  text "CH_6" at 24.305,37.542 h1
  text "CH_7" at 41.68,37.542 h1
  text "CH_10" at 46.65,37.542 h1
  text "CH_11" at 65.15,37.542 h1
  text "LightLink V2" at 71.975,8.716 h2
  text "Designed with help from  / Noah, Magda, and D!" at 71.625,4.575 h0.75
Mechanical 1:
  the board outline again, w0.1
Mechanical 2:
  lines w0.1: 0.1,54.95 43.55,54.95 52.2,63.6 99.975,63.6 99.975,65 ; 40.9,95 40.9,79.075 52.175,67.8 52.175,63.575 ; 0,5 ccw(c5,5) 5,0 ; 0,5 ccw(c5,5) 5,0 ; 0,5 0,90 ; 0,5 0,90 ; 0,90 cw(c5,90) 5,95 ; 0,90 cw(c5,90) 5,95 ; 5,0 95,0 ; 5,0 95,0 ; 5,95 95,95 ; 5,95 95,95 ; 95,0 ccw(c95,5) 100,5 ; 95,0 ccw(c95,5) 100,5 ; 95,95 cw(c95,90) 100,90 ; 95,95 cw(c95,90) 100,90 ; 100,5 100,90 ; 100,5 100,90

## Text inside footprints (layer, text, board x,y; h text height)
U4: Bottom Overlay "*" at -23.866,89.14 h1.27 r90; Bottom 3D Body "*" at -22.988,88.016 h1.27 r90